# Allegro board 038RT-9068CJK8E-A100_0921.brd (continued)
## Placement (name value [footprint] x y rotation side) (continued)
NOREF#6376  -  []  600.81 201.81 0 top
NOREF#6377  -  []  401.3 271 90 top
NOREF#6378  -  []  602.77 201.42 0 top
NOREF#6379  -  []  286.49 221.84 0 top
NOREF#6380  -  []  287.67 207.02 0 top
NOREF#6381  -  []  393.43 430.09 90 top
NOREF#6382  -  []  87.68 230.09 0 top
NOREF#6383  -  []  195.66 434.8 90 top
NOREF#6384  -  []  259.01 266.2 0 top
NOREF#6385  -  []  383.7 21.33 0 top
NOREF#6386  -  []  294.57 39.2 90 top
NOREF#6387  -  []  408.5 212.6 90 top
NOREF#6388  -  []  91.37 208.23 90 top
NOREF#6389  -  []  60.63 191.22 90 top
NOREF#6390  -  []  277.14 220.07 0 top
NOREF#6391  -  []  268.15 283.37 0 top
NOREF#6392  -  []  285.69 265.85 90 top
NOREF#6393  -  []  285.11 194.75 0 top
NOREF#6394  -  []  287.6 217.29 90 top
NOREF#6395  -  []  325.22 243.37 0 top
NOREF#6396  -  []  177.04 429.31 90 top
NOREF#6397  -  []  380.2 21.33 0 top
NOREF#6398  -  []  330.62 250.8 90 top
NOREF#6399  -  []  334.78 30.1 90 top
PT1  PT-RJ45-1X1-20X18X12  [RJ45_1X1D90_8P_PROTECTOR]  8.31 58.04 90 bottom
PT3  PT-RJ45-1X1-20X18X12  [RJ45_1X1D90_8P_PROTECTOR]  8.31 25.65 90 bottom
PT23  PT-CONN-2X1-50X16X11  [PROTECTOR_CONN_SPECIFIC_2PORT]  11.29 228.6 270 bottom
QFN68-8X8-P0.4MM  REF-CODE-SOCKET  [SOCKET_CODE]  147.94 498.73 0 top
R1  0-5-SB  [R1210]  599.85 24.12 180 top
R2  NC/100K-1-S4  [R0402]  238.41 205.42 180 bottom
R3  NC/100K-1-S4  [R0402]  250.6 203.27 0 bottom
R5  NC/100K-1-S4  [R0402]  238.41 213.04 180 bottom
R6  NC/100K-1-S4  [R0402]  57.22 195.61 0 top
R7  NC/100K-1-S4  [R0402]  57.22 189.13 0 top
R9  NC/100K-1-S4  [R0402]  69.74 200.34 180 bottom
R10  NC/100K-1-S4  [R0402]  250.6 210.89 0 bottom
R18  0-5-S8  [R0805]  143.67 26.28 270 top
R19  NC/100K-1-S4  [R0402]  69.74 205.04 180 bottom
R20  0-5-S8  [R0805]  24.62 68.26 0 bottom
R21  0-5-S8  [R0805]  23.67 125.41 90 bottom
R24  1M-1-S4  [R0402]  133.43 184.87 270 bottom
R26  10K-1-S4  [R0402]  133.43 187.27 270 bottom
R45  NC/10K-1-S4  [R0402]  152.48 184.87 270 bottom
R46  NC/10K-1-S4  [R0402]  151.21 184.87 270 bottom
R56  NC/1K-1-S4  [R0402]  68.75 220.34 90 bottom
R60  10K-1-S4  [R0402]  146.13 184.87 270 bottom
R61  10K-1-S4  [R0402]  138.51 184.87 270 bottom
R62  10K-1-S4  [R0402]  141.05 187.27 90 bottom
R63  NC/10K-1-S4  [R0402]  134.7 184.87 270 bottom
R64  NC/10K-1-S4  [R0402]  137.24 184.87 270 bottom
R66  NC/10K-1-S4  [R0402]  139.78 184.87 270 bottom
R67  NC/10K-1-S4  [R0402]  144.86 184.87 270 bottom
R68  NC/10K-1-S4  [R0402]  135.97 184.87 270 bottom
R69  24K-1-S4  [R0402]  84.13 206.72 90 bottom
R70  10K-1-S4  [R0402]  148.67 184.87 270 bottom
R71  10K-1-S4  [R0402]  147.4 184.87 270 bottom
R105  NC/0-5-S4  [R0402]  312.16 216.86 180 bottom
R110  24K-1-S4  [R0402]  285.8 214.69 0 bottom
R126  100-1-S4  [R0402]  54.24 156.57 0 top
R130  100-1-S4  [R0402]  61.29 156.57 0 top
R133  75-1-S4  [R0402]  57.76 127.66 270 top
R134  75-1-S4  [R0402]  51.73 127.66 270 top
R135  75-1-S4  [R0402]  51.73 108.12 270 top
R136  75-1-S4  [R0402]  57.76 108.12 270 top
R137  0-5-S4  [R0402]  22.08 68.26 270 bottom
R138  3.9K-1-S4  [R0402]  27.16 62.87 90 bottom
R139  1K-1-S4  [R0402]  57.22 193.07 180 top
R140  1K-1-S4  [R0402]  57.22 191.67 180 top
R141  1K-1-S4  [R0402]  57.22 187.86 180 top
R142  1K-1-S4  [R0402]  57.22 186.46 180 top
R149  1K-1-S4  [R0402]  240.56 206.82 180 bottom
R150  1K-1-S4  [R0402]  240.56 205.42 180 bottom
R155  1K-1-S4  [R0402]  248.45 201.86 0 bottom
R156  1K-1-S4  [R0402]  248.45 203.27 0 bottom
R263  NC/10K-1-S4  [R0402]  141.05 184.87 270 bottom
R264  NC/10K-1-S4  [R0402]  138.51 187.27 90 bottom
R275  1M-1-S6  [R0603]  113.3 39.83 90 bottom
R276  1M-1-S6  [R0603]  153.83 42.7 270 top
R281  10K-1-S4  [R0402]  152.48 187.27 90 bottom
R282  10K-1-S4  [R0402]  151.21 187.27 90 bottom
R309  NC/10K-1-S25-ST  [R2512]  158.82 34.2 0 top
R327  1K-1-S4  [R0402]  156.84 227.6 0 bottom
R328  1K-1-S4  [R0402]  156.84 220.72 0 bottom
R342  10K-1-S4  [R0402]  84.09 44.06 90 bottom
R343  10K-1-S4  [R0402]  89.17 44.06 90 bottom
R344  10K-1-S4  [R0402]  94.25 44.06 90 bottom
R345  10K-1-S4  [R0402]  99.33 44.06 90 bottom
R347  0-5-S4  [R0402]  143.59 187.27 270 bottom
R348  0-5-S4  [R0402]  142.32 187.27 270 bottom
R350  1K-1-S4  [R0402]  143.59 184.87 90 bottom
R351  1K-1-S4  [R0402]  142.32 184.87 270 bottom
R360  NC/898-1-S6-KOA  [R0603]  113.3 36.48 270 bottom
R361  NC/100-1-S6  [R0603]  113.3 33.05 270 bottom
R362  0-5-S6  [R0603]  110.76 44.7 90 bottom
R434  0-5-S4  [R0402]  314.22 216.86 0 bottom
R435  0-5-SB  [R1210]  53.2 398.14 90 top
R438  1K-1-S4  [R0402]  248.45 210.89 0 bottom
R439  1K-1-S4  [R0402]  240.56 213.04 180 bottom
R440  1K-1-S4  [R0402]  240.56 214.44 180 bottom
R441  1K-1-S4  [R0402]  248.45 209.48 0 bottom
R454  1K-1-S8  [R0805]  288.21 228.03 90 bottom
R455  1K-1-S8  [R0805]  286.18 228.03 90 bottom
R456  100K-1-S6  [R0603]  288.75 230.56 0 bottom
R470  1K-1-S4  [R0402]  72.02 197.67 180 bottom
R473  1K-1-S4  [R0402]  72.02 202.37 180 bottom
R474  1K-1-S4  [R0402]  72.02 199.07 180 bottom
R475  1K-1-S4  [R0402]  72.02 203.77 180 bottom
R498  1K-1-S8  [R0805]  294.82 228.03 90 bottom
R499  1K-1-S8  [R0805]  292.78 228.03 90 bottom
R500  100K-1-S6  [R0603]  295.35 230.56 0 bottom
R517  1K-1-S8  [R0805]  51.54 211.64 180 top
R518  1K-1-S8  [R0805]  51.54 209.6 180 top
R519  100K-1-S6  [R0603]  48.22 211.32 180 top
R536  1K-1-S8  [R0805]  51.54 216.28 180 top
R537  1K-1-S8  [R0805]  51.54 214.24 180 top
R538  100K-1-S6  [R0603]  48.22 215.96 180 top
R540  NC/120-1-S4  [R0402]  18.79 243.93 0 top
R541  NC/120-1-S4  [R0402]  11.79 243.93 180 top
R542  NC/120-1-S4  [R0402]  18.79 224.88 180 top
R543  NC/120-1-S4  [R0402]  11.79 224.88 180 top
R548  0-5-S4  [R0402]  116.74 35.84 0 top
R552  NC/10K-1-S4  [R0402]  146.13 187.27 270 bottom
R553  NC/0-5-S4  [R0402]  158.83 184.87 270 bottom
R554  NC/10K-1-S4  [R0402]  161.37 184.87 270 bottom
R555  NC/0-5-S4  [R0402]  147.4 187.27 270 bottom
R556  NC/0-5-S4  [R0402]  160.1 184.87 270 bottom
R557  NC/0-5-S4  [R0402]  167.72 184.87 270 bottom
R558  NC/0-5-S4  [R0402]  162.64 184.87 270 bottom
R559  NC/0-5-S4  [R0402]  163.91 184.87 270 bottom
R560  NC/0-5-S4  [R0402]  160.1 187.27 270 bottom
R561  NC/0-5-S4  [R0402]  158.83 187.27 270 bottom
R562  NC/0-5-S4  [R0402]  162.64 187.27 270 bottom
R563  NC/10K-1-S4  [R0402]  157.56 184.87 270 bottom
R564  NC/10K-1-S4  [R0402]  156.29 184.87 270 bottom
R565  NC/10K-1-S4  [R0402]  155.02 184.87 270 bottom
R566  NC/10K-1-S4  [R0402]  153.75 184.87 270 bottom
R567  NC/0-5-S4  [R0402]  166.45 184.87 270 bottom
R568  NC/10K-1-S4  [R0402]  134.7 187.27 90 bottom
R569  NC/10K-1-S4  [R0402]  137.24 187.27 90 bottom
R570  NC/10K-1-S4  [R0402]  139.78 187.27 90 bottom
R571  NC/10K-1-S4  [R0402]  135.97 187.27 90 bottom
R572  NC/10K-1-S4  [R0402]  144.86 187.27 90 bottom
R573  NC/10K-1-S4  [R0402]  161.37 187.27 90 bottom
R574  NC/10K-1-S4  [R0402]  153.75 187.27 90 bottom
R575  NC/10K-1-S4  [R0402]  155.02 187.27 90 bottom
R576  NC/10K-1-S4  [R0402]  156.29 187.27 90 bottom
R577  NC/10K-1-S4  [R0402]  157.56 187.27 90 bottom
R578  0-1-S4-YA  [R0402]  71.29 220.34 90 bottom
R579  0-1-S4-YA  [R0402]  70.02 220.34 90 bottom
R580  0-1-S4-YA  [R0402]  132.16 187.27 270 bottom
R581  0-1-S4-YA  [R0402]  129.62 184.87 270 bottom
R582  0-1-S4-YA  [R0402]  129.62 187.27 270 bottom
R583  0-1-S4-YA  [R0402]  130.89 184.87 270 bottom
R584  0-1-S4-YA  [R0402]  148.67 187.27 90 bottom
R586  0-5-S25  [R2512]  133.54 38.56 90 top
R587  600-1-S8-VI  [R0805]  143.41 214.48 90 bottom
R588  600-1-S8-VI  [R0805]  257.72 182.83 90 bottom
R589  600-1-S8-VI  [R0805]  142.85 210.38 180 bottom
R590  600-1-S8-VI  [R0805]  236.08 182.38 0 bottom
R591  600-1-S8-VI  [R0805]  219.39 191.16 180 bottom
R592  600-1-S8-VI  [R0805]  51.3 238.62 180 bottom
RB1  10K-1-S4  [R0402]  606.56 44.09 180 bottom
RB7  54.9K-1-S4  [R0402]  116.74 33.3 0 top
RB8  100K-1-S4  [R0402]  116.74 32.03 180 top
RBB8  NC/0-5-S4  [R0402]  340.77 122.1 270 top
RC1  3K-1-S4  [R0402]  30.53 383.64 270 top
RD11  0-5-SB  [R1210]  182.02 58.23 180 top
RD21  0-5-SB  [R1210]  176.94 58.23 0 top
RD32  0-5-S8  [R0805]  270.38 202.71 90 bottom
RD42  0-5-S8  [R0805]  295.13 185.36 180 bottom
RD43  0-5-S8  [R0805]  291.09 181.7 180 bottom
RD62  0-5-S8  [R0805]  275.6 187.39 0 bottom
RD64  0-5-S8  [R0805]  275.6 185.36 180 bottom
RD72  0-5-S8  [R0805]  291.09 187.42 180 bottom
RD73  0-5-S6  [R0603]  316.09 203.99 0 bottom
RD74  0-5-S6  [R0603]  309.74 203.99 0 bottom
RD75  0-5-S6  [R0603]  316.09 198.91 0 bottom
RD76  0-5-S6  [R0603]  309.74 198.91 0 bottom
RD77  0-5-S6  [R0603]  316.09 206.53 0 bottom
RD78  0-5-S6  [R0603]  316.09 201.45 0 bottom
RD79  0-5-S6  [R0603]  86.63 44.06 270 bottom
RD80  0-5-S6  [R0603]  96.79 44.06 270 bottom
RD81  0-5-S6  [R0603]  224.46 221.11 180 bottom
RD82  0-5-S6  [R0603]  152.01 224.93 0 bottom
RD83  0-5-S6  [R0603]  152.01 223.4 0 bottom
RD84  0-5-S6  [R0603]  224.46 210.11 180 bottom
RD85  0-5-S6  [R0603]  224.46 224.31 180 bottom
RD86  0-5-S6  [R0603]  224.46 217.91 180 bottom
RD87  0-5-S6  [R0603]  312.91 203.99 0 bottom
RD88  0-5-S6  [R0603]  309.74 201.45 0 bottom
RD89  0-5-S6  [R0603]  312.91 198.91 0 bottom
RD90  0-5-S6  [R0603]  309.74 209.07 0 bottom
RD92  0-5-S6  [R0603]  312.91 201.45 0 bottom
RD95  0-5-S6  [R0603]  312.91 206.53 0 bottom
RD96  0-5-S6  [R0603]  316.09 209.07 0 bottom
RD97  0-5-S6  [R0603]  312.91 209.07 180 bottom
RD98  0-5-S6  [R0603]  224.46 227.46 180 bottom
RD99  0-5-S6  [R0603]  224.46 230.66 180 bottom
RD100  0-5-S6  [R0603]  309.74 206.53 0 bottom
RD101  0-5-S6  [R0603]  224.46 213.31 180 bottom
RD178  0-5-S6  [R0603]  224.46 206.2 180 bottom
RD179  0-5-S6  [R0603]  224.46 203 180 bottom
RD180  NC/0-5-S6  [R0603]  165.73 195.86 270 bottom
RD181  NC/0-5-S6  [R0603]  164.21 195.86 270 bottom
RFB1  620-1-S4  [R0402]  12.6 377.9 0 top
RFB2  22K-1-SA-YA  [R1206]  8.79 377.9 0 top
RG1  0-5-SB  [R1210]  58.78 203.84 270 top
RG21  0-5-S4  [R0402]  165.18 184.87 270 bottom
RG22  0-5-S4  [R0402]  163.91 187.27 270 bottom
RG32  0-5-S8  [R0805]  96.11 190.79 180 bottom
RG42  0-5-S8  [R0805]  111.4 216.05 270 bottom
RG64  0-5-S8  [R0805]  113.46 197.03 270 bottom
RG72  0-5-S8  [R0805]  111.4 212.02 270 bottom
RG73  0-5-S6  [R0603]  63.17 220.78 180 bottom
RG74  0-5-S6  [R0603]  63.17 222.68 180 bottom
RG75  0-5-S6  [R0603]  63.17 226.49 180 bottom
RG76  0-5-S6  [R0603]  63.17 228.4 180 bottom
RG77  0-5-S6  [R0603]  63.17 218.85 180 bottom
RG78  0-5-S6  [R0603]  63.17 224.59 180 bottom
RH13  4.7K-1-S6  [R0603]  211.85 49.97 270 bottom
RH23  4.7K-1-S6  [R0603]  273.86 49.97 270 bottom
RH112  0-5-S4  [R0402]  206.48 47.24 270 bottom
RH113  10K-1-S6  [R0603]  205.08 44.7 270 bottom
RH114  10K-1-S6  [R0603]  203.56 44.7 270 bottom
RH116  0-5-SB  [R1210]  238.11 44.29 270 bottom
RH118  NC/0-5-S4  [R0402]  216.51 26.42 90 bottom
RH119  NC/0-5-S4  [R0402]  217.78 26.42 90 bottom
RH121  47K-1-S4  [R0402]  189.59 47.76 0 top
RH122  47K-1-S4  [R0402]  191.36 20.59 90 top
RH123  NC/0-5-S4  [R0402]  219.05 26.42 90 bottom
RH129  NC/0-5-S4  [R0402]  221.11 37.72 90 bottom
RH130  0-5-S4  [R0402]  226.51 31.47 270 bottom
RH132  0-5-S4  [R0402]  227.78 31.47 270 bottom
RH151  0-5-S4  [R0402]  211.56 47.24 270 bottom
RH152  NC/0-5-S4  [R0402]  188.82 17.53 270 bottom
RH161  0-5-S4  [R0402]  211.56 44.7 270 bottom
RH162  NC/0-5-S4  [R0402]  191.36 17.53 270 bottom
RH171  4.7K-1-S6  [R0603]  210.29 47.24 270 bottom
RH172  NC/0-5-S4  [R0402]  210.29 44.7 270 bottom
RH181  0-5-S4  [R0402]  209.02 47.24 270 bottom
RH182  NC/0-5-S4  [R0402]  193.9 17.53 270 bottom
RH191  0-5-S4  [R0402]  209.02 44.7 270 bottom
RH192  NC/0-5-S4  [R0402]  196.44 17.53 90 bottom
RH212  0-5-S4  [R0402]  268.49 47.24 270 bottom
RH213  10K-1-S6  [R0603]  267.09 44.7 270 bottom
RH214  10K-1-S6  [R0603]  265.57 44.7 270 bottom
RH216  0-5-SB  [R1210]  300.12 44.29 270 bottom
RH218  NC/0-5-S4  [R0402]  278.52 26.42 90 bottom
RH219  NC/0-5-S4  [R0402]  279.79 26.42 90 bottom
RH221  47K-1-S4  [R0402]  251.6 47.76 0 top
RH222  47K-1-S4  [R0402]  253.36 20.59 90 top
RH223  NC/0-5-S4  [R0402]  281.06 26.42 90 bottom
RH229  NC/0-5-S4  [R0402]  283.12 37.72 90 bottom
RH230  0-5-S4  [R0402]  288.52 31.47 270 bottom
RH232  0-5-S4  [R0402]  289.79 31.47 270 bottom
RH251  0-5-S4  [R0402]  273.57 47.24 270 bottom
RH252  NC/0-5-S4  [R0402]  247.01 17.53 270 bottom
RH261  0-5-S4  [R0402]  273.57 44.7 270 bottom
RH262  NC/0-5-S4  [R0402]  249.55 17.53 270 bottom
RH271  4.7K-1-S6  [R0603]  272.3 47.24 270 bottom
RH272  NC/0-5-S4  [R0402]  272.3 44.7 270 bottom
RH281  0-5-S4  [R0402]  271.03 47.24 270 bottom
RH282  NC/0-5-S4  [R0402]  252.09 17.53 270 bottom
RH291  0-5-S4  [R0402]  271.03 44.7 270 bottom
RH292  NC/0-5-S4  [R0402]  254.63 17.53 90 bottom
RH1101  NC/0-5-S4  [R0402]  207.75 44.7 270 bottom
RH1102  0-5-S4  [R0402]  206.48 44.7 270 bottom
RH1103  10K-1-S6  [R0603]  207.75 47.24 270 bottom
RH1104  NC/0-5-S4  [R0402]  198.98 17.53 90 bottom
RH1182  NC/0-5-S4  [R0402]  221.84 17.53 90 bottom
RH1192  NC/0-5-S4  [R0402]  224.38 17.53 90 bottom
RH1232  NC/0-5-S4  [R0402]  226.92 17.53 90 bottom
RH1241  NC/0-5-S4  [R0402]  220.32 26.42 90 bottom
RH1242  47K-1-S4  [R0402]  191.86 47.76 0 top
RH1243  NC/0-5-S4  [R0402]  229.46 17.53 90 bottom
RH1261  10K-1-S6  [R0603]  221.59 23.88 270 bottom
RH1262  0-5-S4  [R0402]  221.59 26.42 270 bottom
RH1263  NC/0-5-S4  [R0402]  232 17.53 90 bottom
RH1271  10K-1-S6  [R0603]  223.12 23.88 270 bottom
RH1272  0-5-S4  [R0402]  223.12 26.42 270 bottom
RH1273  NC/0-5-S4  [R0402]  234.54 17.53 90 bottom
RH1281  10K-1-S6  [R0603]  224.64 23.88 270 bottom
RH1282  0-5-S4  [R0402]  224.64 26.42 270 bottom
RH1283  NC/0-5-S4  [R0402]  209.14 17.53 90 bottom
RH1511  12K-1-S4  [R0402]  225.04 44.18 180 bottom
RH2101  NC/0-5-S4  [R0402]  269.76 44.7 270 bottom
RH2102  0-5-S4  [R0402]  268.49 44.7 270 bottom
RH2103  10K-1-S6  [R0603]  269.76 47.24 270 bottom
RH2104  NC/0-5-S4  [R0402]  257.17 17.53 90 bottom
RH2182  NC/0-5-S4  [R0402]  283.84 17.53 90 bottom
RH2192  NC/0-5-S4  [R0402]  286.38 17.53 90 bottom
RH2232  NC/0-5-S4  [R0402]  288.92 17.53 90 bottom
RH2241  NC/0-5-S4  [R0402]  282.33 26.42 90 bottom
RH2242  47K-1-S4  [R0402]  253.86 47.76 0 top
RH2243  NC/0-5-S4  [R0402]  291.46 17.53 90 bottom
RH2261  10K-1-S6  [R0603]  283.6 23.88 270 bottom
RH2262  0-5-S4  [R0402]  283.6 26.42 270 bottom
RH2263  NC/0-5-S4  [R0402]  294 17.53 90 bottom
RH2271  10K-1-S6  [R0603]  285.13 23.88 270 bottom
RH2272  0-5-S4  [R0402]  285.13 26.42 270 bottom
RH2273  NC/0-5-S4  [R0402]  296.54 17.53 90 bottom
RH2281  10K-1-S6  [R0603]  286.65 23.88 270 bottom
RH2282  0-5-S4  [R0402]  286.65 26.42 270 bottom
RH2283  NC/0-5-S4  [R0402]  271.14 17.53 90 bottom
RH2511  12K-1-S4  [R0402]  287.05 44.18 180 bottom
RHPC1  0-5-S25  [R2512]  243.27 26.59 90 bottom
RL10  10K-0.01-S4-VI  [R0402_H0P83MM]  50.35 236.26 270 bottom
RL15  NC/3.9K-1-S4  [R0402]  25 227.71 270 bottom
RL16  10K-1-S4  [R0402]  23.86 229.74 90 bottom
RL18  10K-1-S4  [R0402]  50.36 233.99 270 bottom
RL19  10K-0.01-S4-VI  [R0402_H0P83MM]  141.13 215.7 180 bottom
RL21  10K-1-S4  [R0402]  144.38 220.78 0 bottom
RL37  10K-0.01-S4-VI  [R0402_H0P83MM]  143.3 207.33 180 bottom
RL38  NC/3.9K-1-S4  [R0402]  141.01 198.39 0 bottom
RL39  10K-1-S4  [R0402]  141.51 204.87 270 bottom
RL41  10K-0.01-S4-VI  [R0402_H0P83MM]  255.37 183.86 180 bottom
RL42  10K-1-S4  [R0402]  259.17 189.18 45 bottom
RL43  10K-0.01-S4-VI  [R0402_H0P83MM]  233.19 183.98 180 bottom
RL44  10K-1-S4  [R0402]  236.27 188.82 0 bottom
RL45  10K-0.01-S4-VI  [R0402_H0P83MM]  218.9 193.54 90 bottom
RR400  0-5-S6  [R0603]  199.29 218.72 0 bottom
RR401  0-5-S6  [R0603]  183.53 217.19 0 bottom
RR402  0-5-S6  [R0603]  167.77 229.61 0 bottom
RR403  0-5-S6  [R0603]  183.53 229.61 0 bottom
RR404  0-5-S6  [R0603]  183.53 218.72 0 bottom
RR405  0-5-S6  [R0603]  199.29 217.19 0 bottom
RR406  0-5-S6  [R0603]  183.53 231.14 0 bottom
RR407  0-5-S6  [R0603]  183.53 224.93 0 bottom
RR408  0-5-S6  [R0603]  167.77 217.19 0 bottom
RR409  0-5-S6  [R0603]  167.77 218.72 0 bottom
RR410  0-5-S6  [R0603]  167.77 223.4 0 bottom
RR411  0-5-S6  [R0603]  167.77 224.93 0 bottom
RR412  0-5-S6  [R0603]  183.53 223.4 0 bottom
RR413  0-5-S6  [R0603]  167.77 231.14 0 bottom
RR500  0-1-S2-YA  [R0201]  98.16 230.71 90 bottom
RR501  0-1-S2-YA  [R0201]  100.2 229.49 270 bottom
RR502  0-1-S2-YA  [R0201]  96.13 230.71 90 bottom
RR503  0-1-S2-YA  [R0201]  94.1 229.49 270 bottom
RR504  0-1-S2-YA  [R0201]  104.26 230.71 90 bottom
RR505  0-1-S2-YA  [R0201]  102.23 230.71 90 bottom
RR510  0-1-S2-YA  [R0201]  98.16 229.49 270 bottom
RR511  0-1-S2-YA  [R0201]  100.2 230.71 90 bottom
RR512  0-1-S2-YA  [R0201]  96.13 229.49 270 bottom
RR513  0-1-S2-YA  [R0201]  94.1 230.71 90 bottom
RR514  0-1-S2-YA  [R0201]  104.26 229.49 270 bottom
RR515  0-1-S2-YA  [R0201]  102.23 229.49 270 bottom
RR520  0-1-S2-YA  [R0201]  278.85 224.48 90 bottom
RR521  0-1-S2-YA  [R0201]  276.81 220.67 90 bottom
RR522  0-1-S2-YA  [R0201]  280.88 224.48 90 bottom
RR523  0-1-S2-YA  [R0201]  278.85 220.67 90 bottom
RR524  0-1-S2-YA  [R0201]  274.78 224.48 90 bottom
RR525  0-1-S2-YA  [R0201]  274.78 220.67 90 bottom
RR530  0-1-S2-YA  [R0201]  278.85 223.26 270 bottom
RR531  0-1-S2-YA  [R0201]  276.81 219.45 270 bottom
RR532  0-1-S2-YA  [R0201]  280.88 223.26 270 bottom
RR533  0-1-S2-YA  [R0201]  278.85 219.45 270 bottom
RR534  0-1-S2-YA  [R0201]  274.78 223.26 270 bottom
RR535  0-1-S2-YA  [R0201]  274.78 219.45 270 bottom
RR900  0-1-S2-YA  [R0201]  88 229.49 270 bottom
RR901  0-1-S2-YA  [R0201]  90.04 230.71 90 bottom
RR902  0-1-S2-YA  [R0201]  106.29 229.49 270 bottom
RR903  0-1-S2-YA  [R0201]  92.07 230.71 90 bottom
RR904  0-1-S2-YA  [R0201]  83.94 229.49 270 bottom
RR905  0-1-S2-YA  [R0201]  85.97 230.71 90 bottom
RR910  0-1-S2-YA  [R0201]  88 230.71 90 bottom
RR911  0-1-S2-YA  [R0201]  90.04 229.49 270 bottom
RR912  0-1-S2-YA  [R0201]  106.29 230.71 90 bottom
RR913  0-1-S2-YA  [R0201]  92.07 229.49 270 bottom
RR914  0-1-S2-YA  [R0201]  83.94 230.71 90 bottom
RR915  0-1-S2-YA  [R0201]  85.97 229.49 270 bottom
RR920  0-1-S2-YA  [R0201]  115.62 221.09 90 bottom
RR921  0-1-S2-YA  [R0201]  284.94 224.48 90 bottom
RR922  0-1-S2-YA  [R0201]  282.91 220.67 90 bottom
RR923  0-1-S2-YA  [R0201]  276.81 224.48 90 bottom
RR924  0-1-S2-YA  [R0201]  282.91 224.48 90 bottom
RR925  0-1-S2-YA  [R0201]  280.88 220.67 90 bottom
RR930  0-1-S2-YA  [R0201]  115.62 219.88 270 bottom
RR931  0-1-S2-YA  [R0201]  284.94 223.26 270 bottom
RR932  0-1-S2-YA  [R0201]  282.91 219.45 270 bottom
RR933  0-1-S2-YA  [R0201]  276.81 223.26 270 bottom
RR934  0-1-S2-YA  [R0201]  282.91 223.26 270 bottom
RR935  0-1-S2-YA  [R0201]  280.88 219.45 270 bottom
RRB1  0-1-S8-YA  [R0805]  340.81 52.29 270 top
RRB2  0-1-S8-YA  [R0805]  374.26 13.26 270 bottom
RRB3  0-1-S8-YA  [R0805]  371.72 13.26 270 bottom
RRB4  0-1-S8-YA  [R0805]  371.74 8.68 270 bottom
RRB5  0-1-S8-YA  [R0805]  374.28 8.68 270 bottom
RRB6  0-1-S8-YA  [R0805]  376.82 8.68 270 bottom
RRB7  0-1-S8-YA  [R0805]  379.36 8.68 270 bottom
RRB8  0-1-S8-YA  [R0805]  381.9 8.68 270 bottom
RRB9  0-1-S8-YA  [R0805]  384.44 8.68 270 bottom
RRB10  0-1-S8-YA  [R0805]  337.64 52.29 270 top
RRB11  0-1-S8-YA  [R0805]  337.64 56.86 270 top
RRB12  0-1-S8-YA  [R0805]  340.81 56.86 270 top
RRB13  0-1-S8-YA  [R0805]  384.42 13.26 270 bottom
RRB14  0-1-S8-YA  [R0805]  381.88 13.26 270 bottom
RRB15  0-1-S8-YA  [R0805]  379.34 13.26 270 bottom
RRB16  0-1-S8-YA  [R0805]  376.8 13.26 270 bottom
RRG49  10K-1-S4  [R0402]  130.89 187.27 270 bottom
RRG51  10K-1-S4  [R0402]  134.27 233.58 90 bottom
RRG52  NC/10K-1-S4  [R0402]  135.42 233.58 90 bottom
RRG53  10K-1-S4  [R0402]  134.27 231.29 270 bottom
RRG54  NC/10K-1-S4  [R0402]  135.42 231.29 270 bottom
RRG55  NC/10K-1-S4  [R0402]  149.51 233.58 90 bottom
RRG56  10K-1-S4  [R0402]  150.66 233.58 90 bottom
RRG57  NC/10K-1-S4  [R0402]  149.51 231.29 270 bottom
RRG58  10K-1-S4  [R0402]  150.66 231.29 270 bottom
RRG59  10K-1-S4  [R0402]  102.59 235.26 0 top
RRG91  10K-1-S4  [R0402]  134.27 239.93 90 bottom
RRG92  NC/10K-1-S4  [R0402]  135.42 239.93 90 bottom
RRG93  NC/10K-1-S4  [R0402]  134.27 237.64 270 bottom
RRG94  10K-1-S4  [R0402]  135.42 237.64 270 bottom
RRG95  NC/10K-1-S4  [R0402]  149.51 239.93 90 bottom
RRG96  10K-1-S4  [R0402]  150.66 239.93 90 bottom
RS1  100-1-S4  [R0402]  18.95 395.36 270 top
RS2  3.57K-1-S8-PAN  [R0805]  22.02 398.64 0 top
RS5  NC/0-5-S4  [R0402]  264.34 209.36 90 bottom
RS6  100K-1-S4  [R0402]  118.96 30.76 180 top
RS7  0-5-SB  [R1210]  123.4 37.11 270 top
RS9  0-5-SB  [R1210]  122.77 29.49 180 top
RS11  NC/0-5-S4  [R0402]  300.57 182.4 90 bottom
RS104  10K-1-S4  [R0402]  258.12 47.76 180 bottom
RS114  10K-1-S4  [R0402]  255.99 47.76 0 bottom
RSG104  10K-1-S4  [R0402]  167.72 187.27 270 bottom
RSG105  10K-1-S4  [R0402]  149.94 184.87 270 bottom
RSG114  10K-1-S4  [R0402]  166.45 187.27 270 bottom
RSG115  10K-1-S4  [R0402]  149.94 187.27 90 bottom
RSNS1  0.1-0.5-SA  [R1206]  22.13 394.09 0 top
RT1  56.2K-1-S2-YA  [R0201]  25.23 397.53 180 top
RTL9068ABD-V2-GR1  REF-CODE-CHIP  [CHIP_CODE]  70.64 500.07 0 top
RU7  4.7K-1-S4-WA  [R0402]  51.71 236.24 270 bottom
RU11  4.7K-1-S4-WA  [R0402]  23.86 227.71 90 bottom
RU12  0-1-S4-YA  [R0402]  23.86 233.37 90 bottom
RU13  4.7K-1-S4-WA  [R0402]  141.06 214.4 180 bottom
RU25  4.7K-1-S4-WA  [R0402]  143.31 208.65 180 bottom
RU27  4.7K-1-S4-WA  [R0402]  255.26 182.59 180 bottom
RU29  4.7K-1-S4-WA  [R0402]  233.05 182.59 180 bottom
RU30  4.7K-1-S4-WA  [R0402]  220.34 193.52 90 bottom
RUV1  1.54K-1-S4-VI  [R0402]  28.07 398.02 90 top
RUV2  10K-1-S2-WA  [R0201]  26.97 397.83 270 top
S0_AVDD09  TP01  [TP_040_T]  279.89 177.8 270 top
S0_AVDD33  TP01  [TP_040_T]  255.58 199.95 0 top
S0_AVDD33_MOSFET  TP01  [TP_040_T]  239.25 224.66 0 top
S0_DGND1  TP01  [TP_040_T]  295.77 177.8 0 top
S0_DGND2  TP01  [TP_040_T]  288.15 177.8 0 top
S0_DGND3  TP01  [TP_040_T]  277.35 177.8 0 top
S0_DGND4  TP01  [TP_040_T]  230.03 218.12 90 top
S0_DPS_AVDD09  HDR-2X1-M  [JP_2P_100]  180.11 21.59 270 top
S0_DPS_AVDD33  HDR-2X1-M  [JP_2P_100]  324.46 21.59 270 top
S0_DPS_DVDD09  HDR-2X1-M  [JP_2P_100]  167.41 21.59 270 top
S0_DPS_DVDD33  HDR-2X1-M  [JP_2P_100]  332.08 21.59 270 top
S0_DPS_GPIO_P015  HDR-2X1-M  [JP_2P_100]  309.22 21.59 270 top
S0_DPS_LDOIN  HDR-2X1-M  [JP_2P_100]  316.84 21.59 270 top
S0_DVDD09  TP01  [TP_040_T]  285.61 177.8 0 top
S0_DVDD33  TP01  [TP_040_T]  293.23 177.8 0 top
S0_GPIO_VDDIO  TP01  [TP_040_T]  274.81 177.8 0 top
S0_LDOIN  TP01  [TP_040_T]  290.69 177.8 0 top
S0_MGND1  TP01  [TP_040_T]  232.19 218.12 90 top
S0_MGND2  TP01  [TP_040_T]  270.68 177.8 0 top
S0_MGND3  TP01  [TP_040_T]  299.91 177.8 0 top
S0_MGND4  TP01  [TP_040_T]  310.2 222.44 225 top
S0_PH_VBAT  HDR-2X1-M  [JP_2P_100]  138.57 24.8 270 top
S0_SW_CTRL  HDR-3X1-MR  [JP_3P_100_R90]  22.08 65.41 270 top
S0_TAPSL0  HDR-3X1-MR  [JP_3P_100_R90]  84.09 40.89 270 top
S0_TAPSL1  HDR-3X1-MR  [JP_3P_100_R90]  94.25 40.89 270 top
S0_VBAT  TP01  [TP_040_T]  154.11 28.68 0 top
S0_VO09  TP01  [TP_040_T]  179.52 61 180 top
S1_AVDD09  TP01  [TP_040_T]  399.89 177.8 270 top
S1_AVDD33  TP01  [TP_040_T]  375.58 199.95 0 top
S1_AVDD33_MOSFET  TP01  [TP_040_T]  359.25 224.66 0 top
S1_DGND1  TP01  [TP_040_T]  415.77 177.8 0 top
S1_DGND2  TP01  [TP_040_T]  408.15 177.8 0 top
S1_DGND3  TP01  [TP_040_T]  397.35 177.8 0 top
S1_DGND4  TP01  [TP_040_T]  350.03 218.12 90 top
S1_DPS_AVDD09  HDR-2X1-M  [JP_2P_100]  362.56 21.59 270 top
S1_DPS_AVDD33  HDR-2X1-M  [JP_2P_100]  510.08 21.59 270 top
S1_DPS_DVDD09  HDR-2X1-M  [JP_2P_100]  354.82 21.59 270 top
S1_DPS_DVDD33  HDR-2X1-M  [JP_2P_100]  517.7 21.59 270 top
S1_DPS_GPIO_P015  HDR-2X1-M  [JP_2P_100]  494.84 21.59 270 top
S1_DPS_LDOIN  HDR-2X1-M  [JP_2P_100]  502.46 21.59 270 top
S1_DVDD09  TP01  [TP_040_T]  405.61 177.8 0 top
S1_DVDD33  TP01  [TP_040_T]  413.23 177.8 0 top
S1_GPIO_VDDIO  TP01  [TP_040_T]  394.81 177.8 0 top
S1_LDOIN  TP01  [TP_040_T]  410.69 177.8 0 top
S1_MGND1  TP01  [TP_040_T]  352.19 218.12 90 top
S1_MGND2  TP01  [TP_040_T]  390.68 177.8 0 top
S1_MGND3  TP01  [TP_040_T]  419.91 177.8 0 top
S1_MGND4  TP01  [TP_040_T]  430.2 222.44 225 top
S1_PH_VBAT  HDR-2X1-M  [JP_2P_100]  589.6 18.3 270 top
S1_SW_CTRL  HDR-3X1-MR  [JP_3P_100_R90]  659.62 14.6 270 top
S1_TAPSL0  HDR-3X1-MR  [JP_3P_100_R90]  562.97 49.32 270 top
S1_TAPSL1  HDR-3X1-MR  [JP_3P_100_R90]  552.81 49.32 270 top
S1_VBAT  TP01  [TP_040_T]  545.1 23.15 0 top
S1_VO09  TP01  [TP_040_T]  360.7 61 180 top
S2_AVDD09  TP01  [TP_040_T]  279.89 237.8 270 top
S2_AVDD33  TP01  [TP_040_T]  255.58 259.95 0 top
S2_AVDD33_MOSFET  TP01  [TP_040_T]  239.25 284.66 0 top
S2_DGND1  TP01  [TP_040_T]  295.77 237.8 0 top
S2_DGND2  TP01  [TP_040_T]  288.15 237.8 0 top
S2_DGND3  TP01  [TP_040_T]  277.35 237.8 0 top
S2_DGND4  TP01  [TP_040_T]  230.03 278.12 90 top
S2_DPS_AVDD09  HDR-2X1-M  [JP_2P_100]  340.47 455.67 90 top
S2_DPS_AVDD33  HDR-2X1-M  [JP_2P_100]  169.95 453.31 90 top
S2_DPS_DVDD09  HDR-2X1-M  [JP_2P_100]  347.1 453.31 90 top